# Altium PCB Power_Board.PcbDoc (part 2 of 3)
Units mm, origin at the board's own origin, x right, y up, seen from the top; angles counter-clockwise.
Board outline 100 x 100 mm, 4 copper layers (Top Layer, Signal Layer 1, Signal Layer 2, Bottom Layer), stack 1.551 mm thick; 455 components, 242 nets, 1337 pads, 0 vias.
Unrouted connection lines stored in the file: 1041.
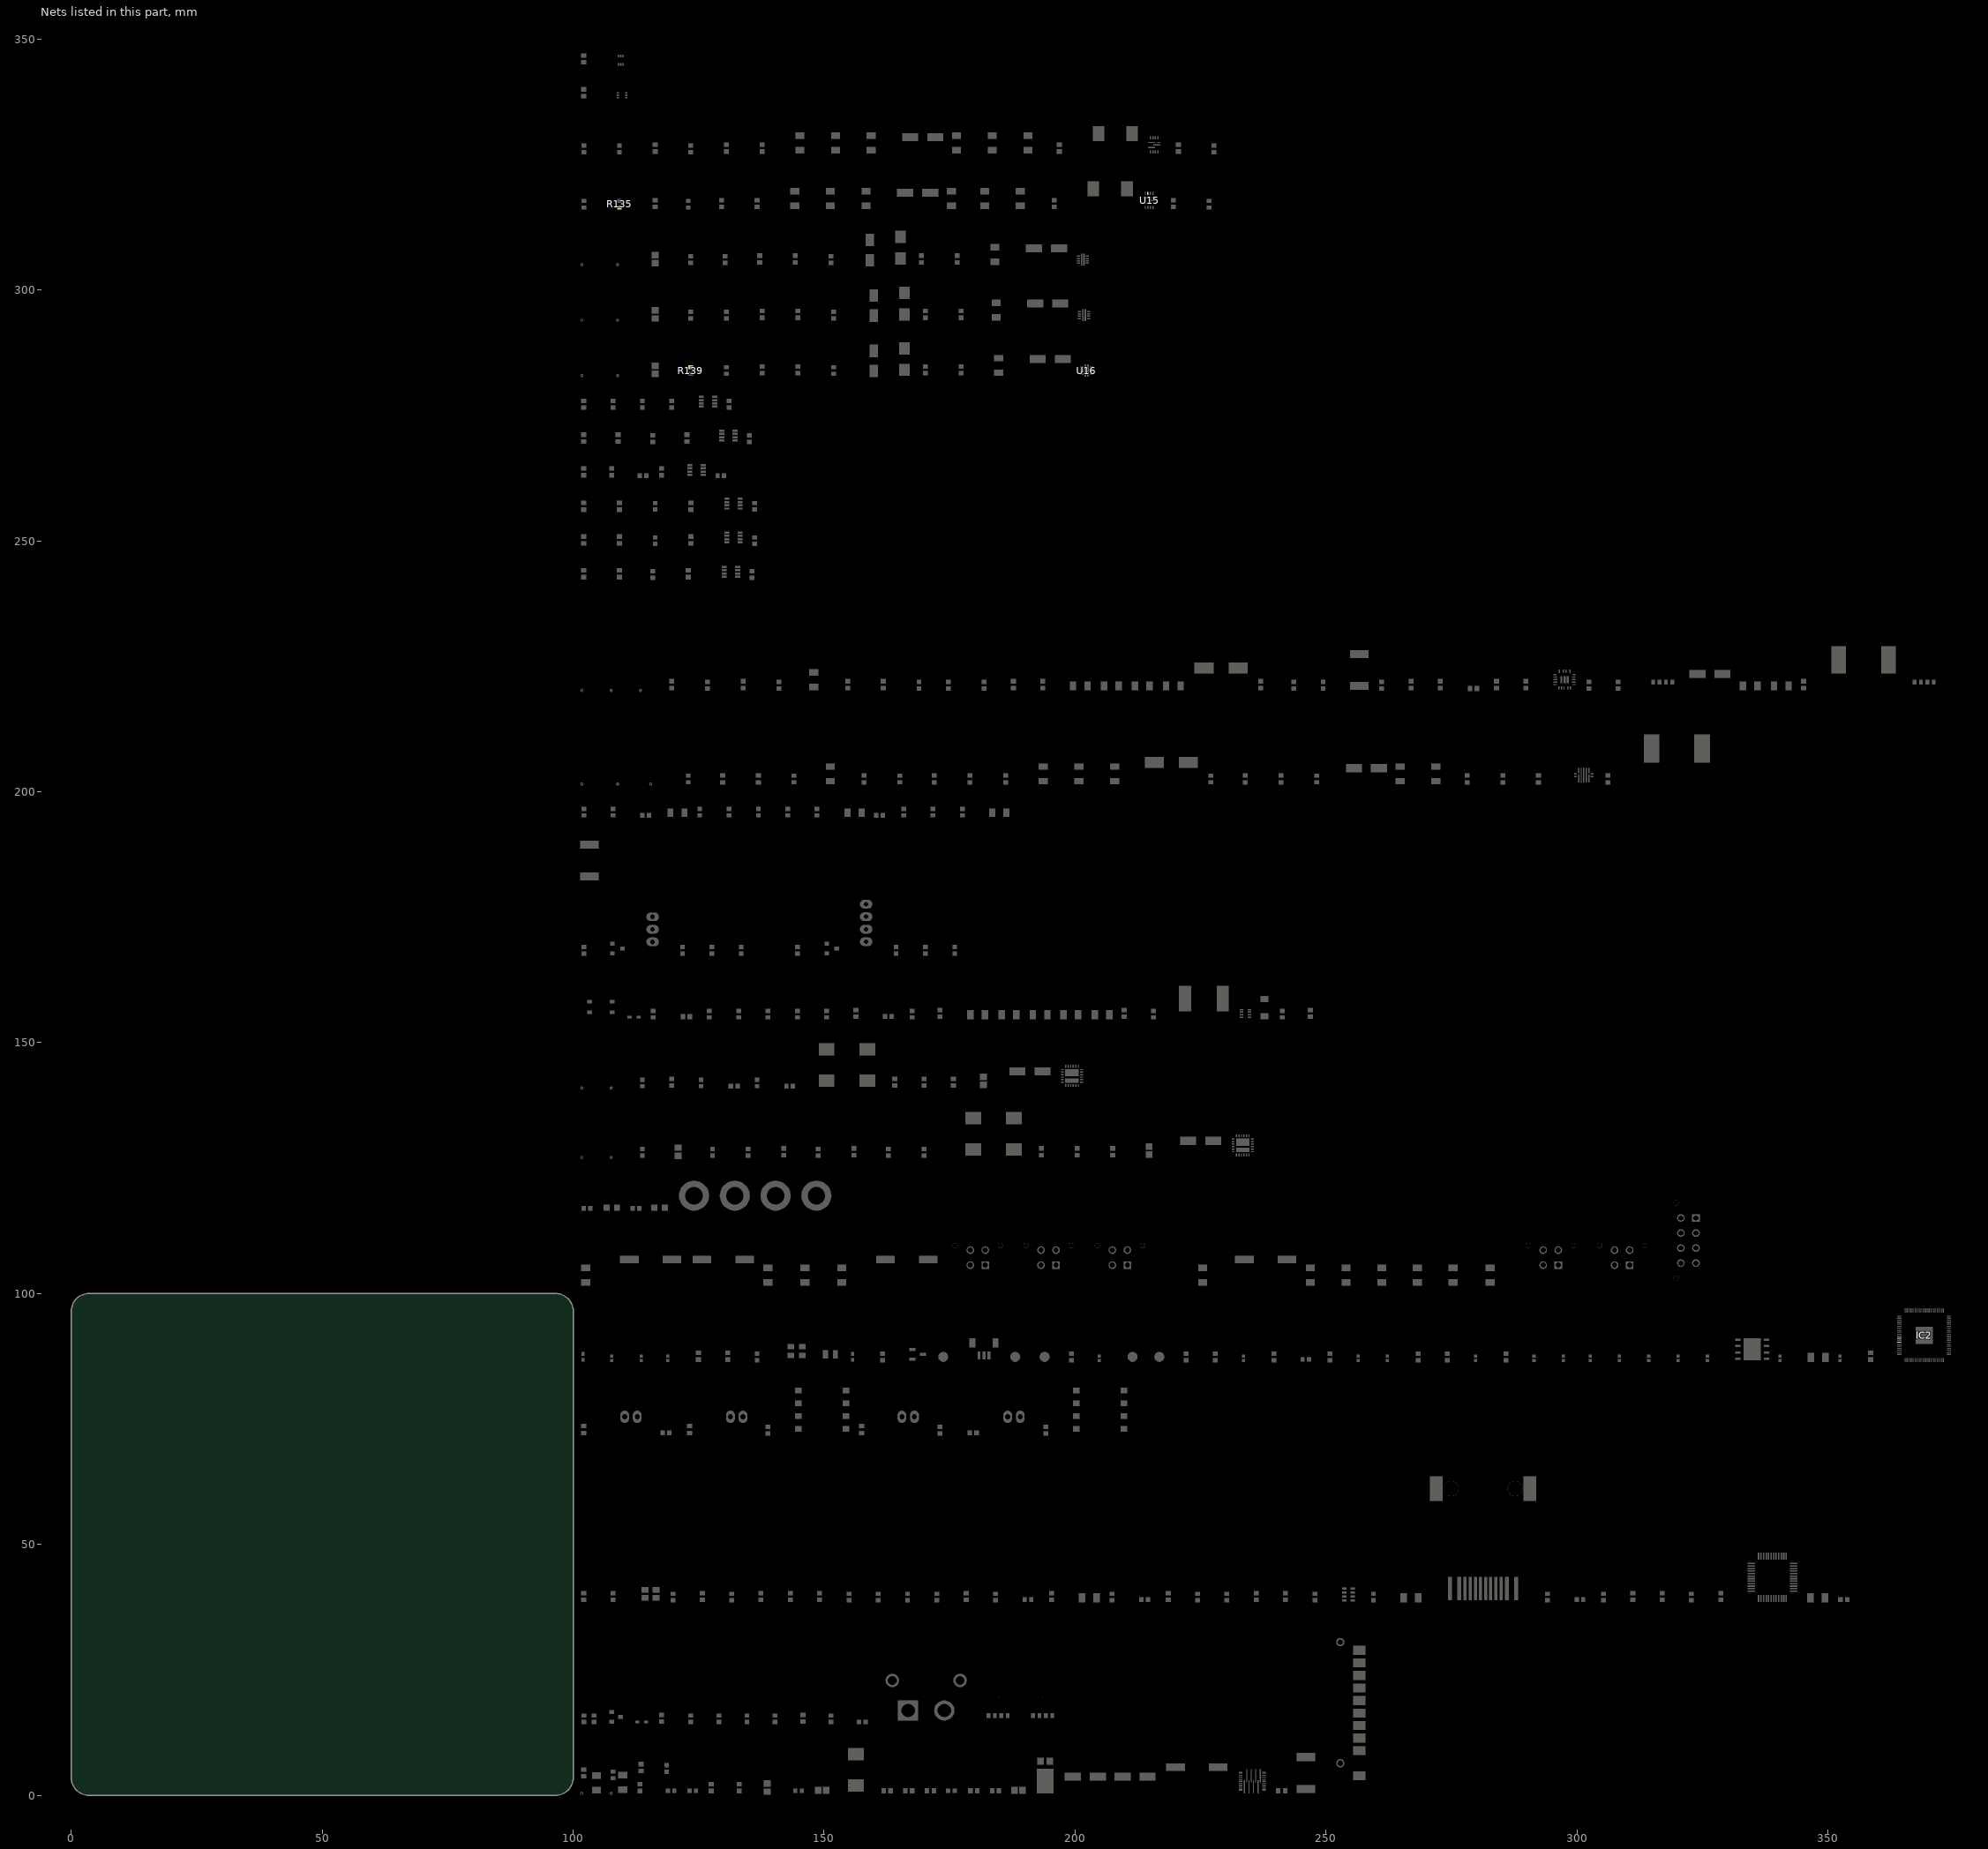
[diagram p2: the nets of this part, all layers, seen from the top]

## Footprints (in the part's own frame and the unit in brackets; to place one, negate y for a bottom-side part, rotate by r counter-clockwise, add the part's x,y. Pads: shape width x height; smd on the part's side, far side on the other; paste and mask are expansions set on the pad) (continued)
"DO214AB SMC" [mm] "Molded Diode, 2-Leads, Body 6.85x5.90mm, IPC Medium Density"
  rect 2.45x3.15 smd: 1(-3.1,0) 2(3.1,0)
  silkscreen extent -4.9,-3.3 4.9,3.3, body extent -3.97,-2.95 3.97,2.95, height 2.6
"EPSON TSX-3225" [mm] "Crystal, 4-Leads, Body 2.50x3.20mm, Pitch 2.20mm, IPC Medium Density"
  rect 1.4x1.15 smd: 1(-1.1,-0.8) 2(1.1,-0.8) 3(1.1,0.8) 4(-1.1,0.8)
  silkscreen extent -2.25,-1.85 2.1,1.7, body extent -1.61,-1.26 1.61,1.26, height 0.6
"FER 0603_1608" [mm] "Chip Ferrite, 2-Leads, Body 1.60x0.80mm, IPC Medium Density"
  rect 0.9x1 smd: 1(-0.675,0) 2(0.675,0)
  silkscreen extent -1.4,-0.7 1.4,0.7, body extent -0.8,-0.41 0.8,0.41, height 0.82
"FUSE 1206_3216 0.6MM" [mm] "Chip Fuse 1.5A AC 63V DC, 2-Leads, Body 3.10x1.55mm, IPC Medium Densitym"
  rect 1.25x1.65 smd: 1(-1.725,0) 2(1.725,0)
  silkscreen extent -0.8,-0.72 0.8,0.72, body extent -1.55,-0.77 1.55,0.78, height 0.76
Hole_3.5mm [mm] "3.5mm Hole with Exposed Ring"
  round 6 hole 3.5: 1(0,0)
  silkscreen extent -3.3,-3.3 3.3,3.3
HR961160C [mm]
  rect 0.81x4.6 smd: 1(-6.61,-12.15) 2(-4.77,-12.15) 11(4.77,-12.15) 12(6.61,-12.15)
  rect 0.61x4.6 smd: 3(-3.57,-12.15) 4(-2.55,-12.15) 5(-1.53,-12.15) 6(-0.51,-12.15) 7(0.51,-12.15) 8(1.53,-12.15) 9(2.55,-12.15) 10(3.57,-12.15)
  rect 2.54x4.9 smd: 13(-9.3,7.77) 13(9.3,7.77)
  round 3 hole 3 unplated: ""(-6.35,7.77) ""(6.35,7.77)
  silkscreen extent -8.05,-15.11 8.05,13.05, body extent -9.57,-13.96 9.57,13.57, height 15.33
INDPM8682X400N [mm]
  rect 2.4x5.1 smd: 1(-3.75,0) 2(3.75,0)
  silkscreen extent -4.32,-4.09 4.32,4.09, body extent -4.3,-4.1 4.3,4.1, height 3.9
"INFINEON SOT-23-3" [mm] "SOT23, 3-Leads, Body 2.90x2.40mm, Pitch 0.95mm, IPC Medium Density"
  rect 0.972x0.802 smd: 1(-0.885,0.95) 2(-0.885,-0.95) 3(0.885,0)
  silkscreen extent -1.27,-1.5 0.7,1.95, body extent -1.16,-1.45 1.16,1.45, height 1
"JST BM03B-SRSS-TB" [mm] "1.0mm pitch/Disconnectable Crimp style connector"
  rect 0.6x1.55 smd: 1(-1,-1.262) 2(0,-1.262) 3(1,-1.262)
  rect 1.2x1.8 smd: M(-2.3,1.262) M(2.3,1.262)
  silkscreen extent -2.53,-1.68 2.53,1.91, body extent -2.5,-1.69 2.5,1.91, height 4.32
"JST XH B2B-XH-A" [mm]
  oval 1.75x2.5 hole 1: 1(-1.25,0) 2(1.25,0)
  silkscreen extent -3.7,-3.38 3.7,2.38, body extent -3.7,-3.38 3.7,2.38, height 7
"JST XH B3B-XH-A" [mm]
  oval 1.75x2.5 hole 0.9: 1(-2.5,0) 2(0,0) 3(2.5,0)
  silkscreen extent -4.95,-3.38 4.95,2.38, body extent -4.95,-3.37 4.95,2.38, height 7
"JST XH B4B-XH-A" [mm]
  oval 1.75x2.5 hole 0.9: 1(-3.75,0) 2(-1.25,0) 3(1.25,0) 4(3.75,0)
  silkscreen extent -6.2,-3.38 6.2,2.38, body extent -6.2,-3.38 6.2,2.38, height 7
Jumper_Pad [mil] "Solderable Jumper Selector"
  round 1 smd: 1(-18.48,0) 2(18.48,0)
  silkscreen extent -43,-43 43,43
"LED 0805_2012" [mm] "Chip Diode, 2-Leads, Body 2.00x1.25mm, IPC Medium Density"
  rect 1.2x1.2 smd: 1(-1.05,0) 2(1.05,0)
  silkscreen extent -2.03,-0.9 2.03,0.9, body extent -1,-0.62 1,0.63, height 0.9
Net_Tie_Via [mm] "Net Tie, Via, 0.3mm Hole, 0.6mm Pad"
  round 0.6 hole 0.3: 1(0,0) 2(0,0)
NVMFS4C05NWFET1G [mm]
  rect 0.75x1 smd: 1(0,0.021) 1(1.27,0.021) 1(2.54,0.021) 2(3.81,0.021)
  round 0.025 smd: 3(1.905,3.75)
  silkscreen extent -0.55,-1 4.36,1.4, body extent -0.68,-0.28 4.47,5.87, height 1.1
PTS815SJK250SMTRLFS [mm]
  rect 1x0.7 smd: 1(-2.25,1.075) 1(2.25,1.075) 2(-2.25,-1.075) 2(2.25,-1.075)
  silkscreen extent -3.2,-1.6 2.07,1.6, body extent -2.3,-1.6 2.3,1.6, height 2.5
QFN40P1000X1000X90-81N-D [mm]
  rect 0.85x0.2 smd: 1(-4.95,3.8) 2(-4.95,3.4) 3(-4.95,3) 4(-4.95,2.6) 5(-4.95,2.2) 6(-4.95,1.8) 7(-4.95,1.4) 8(-4.95,1) 9(-4.95,0.6) 10(-4.95,0.2) 11(-4.95,-0.2) 12(-4.95,-0.6) 13(-4.95,-1) 14(-4.95,-1.4) 15(-4.95,-1.8) 16(-4.95,-2.2) 17(-4.95,-2.6) 18(-4.95,-3) 19(-4.95,-3.4) 20(-4.95,-3.8) 41(4.95,-3.8) 42(4.95,-3.4) 43(4.95,-3) 44(4.95,-2.6) 45(4.95,-2.2) 46(4.95,-1.8) 47(4.95,-1.4) 48(4.95,-1) 49(4.95,-0.6) 50(4.95,-0.2) 51(4.95,0.2) 52(4.95,0.6) 53(4.95,1) 54(4.95,1.4) 55(4.95,1.8) 56(4.95,2.2) 57(4.95,2.6) 58(4.95,3) 59(4.95,3.4) 60(4.95,3.8)
  rect 0.2x0.85 smd: 21(-3.8,-4.95) 22(-3.4,-4.95) 23(-3,-4.95) 24(-2.6,-4.95) 25(-2.2,-4.95) 26(-1.8,-4.95) 27(-1.4,-4.95) 28(-1,-4.95) 29(-0.6,-4.95) 30(-0.2,-4.95) 31(0.2,-4.95) 32(0.6,-4.95) 33(1,-4.95) 34(1.4,-4.95) 35(1.8,-4.95) 36(2.2,-4.95) 37(2.6,-4.95) 38(3,-4.95) 39(3.4,-4.95) 40(3.8,-4.95) 61(3.8,4.95) 62(3.4,4.95) 63(3,4.95) 64(2.6,4.95) 65(2.2,4.95) 66(1.8,4.95) 67(1.4,4.95) 68(1,4.95) 69(0.6,4.95) 70(0.2,4.95) 71(-0.2,4.95) 72(-0.6,4.95) 73(-1,4.95) 74(-1.4,4.95) 75(-1.8,4.95) 76(-2.2,4.95) 77(-2.6,4.95) 78(-3,4.95) 79(-3.4,4.95) 80(-3.8,4.95)
  rect 3.45x3.45 smd: 81(0,0)
  silkscreen extent -5.47,4.3 -5.28,4.5, body extent -5.05,-5.05 5.05,5.05, height 0.9
"RES 0402_1005" [mm] "Chip Resistor, 2-Leads, Body 1.0x0.5mm, IPC Medium Density"
  rect 0.75x0.6 smd: 1(-0.575,0) 2(0.575,0)
  silkscreen extent -1.14,-0.51 1.14,0.51, body extent -0.5,-0.25 0.5,0.25, height 0.35
"RES 0603_1608" [mm] "Chip Resistor, 2-Leads, Body 1.60x0.80mm, IPC Medium Density"
  rect 0.85x0.95 smd: 1(-0.65,0) 2(0.65,0)
  silkscreen extent -1.27,-0.7 1.27,0.7, body extent -0.8,-0.4 0.8,0.4, height 0.45
"RES 1206_3216" [mm] "Chip Resistor, 2-Leads, Body 3.13x1.55mm, IPC Medium Density"
  rect 1.2x1.65 smd: 1(-1.4,0) 2(1.4,0)
  silkscreen extent -2.3,-1.1 2.3,1.1, body extent -1.6,-0.8 1.6,0.8, height 0.6
"RES 2512_6432" [mm] "Chip Resistor, 2-Leads, Body 6.30x3.15mm, IPC Medium Density"
  rect 1.6x3.65 smd: 1(-3.175,0) 2(3.175,0)
  silkscreen extent -4.3,-2.05 4.3,2.05, body extent -3.15,-1.57 3.15,1.57, height 0.7
"RESNET 1206-8 CONVEX" [mm] "4 resistor 3.20x1.60mm, 0.7mm high"
  rect 0.9x0.45 smd: 1(-0.85,1.2) 2(-0.85,0.4) 3(-0.85,-0.4) 4(-0.85,-1.2) 5(0.85,-1.2) 6(0.85,-0.4) 7(0.85,0.4) 8(0.85,1.2)
  silkscreen extent -1.6,-1.73 1.6,1.73, body extent -0.84,-1.62 0.84,1.63, height 0.71
SMD-8_VOR2121B_VIS [mil]
  rect 52x45 smd paste+0 mask+0: 1(-186,150) 2(-186,50) 3(-186,-50) 4(-186,-150) 5(186,-150) 6(186,-50) 7(186,50) 8(186,150)
  silkscreen extent -190,-205 139,205, body extent -198,-200 198,200, height 167
SOD523F [mm] "SODFL, 2-Leads, Body 0.80x1.60mm, IPC Medium Density"
  rect 0.8x0.5 smd: 1(-0.9,0) 2(0.9,0)
  silkscreen extent -1.6,-0.64 1.8,0.64, body extent -0.8,-0.4 0.8,0.4, height 0.65
SON127P600X500X80-9N-D [mm]
  rect 1.05x0.45 smd: 1(-2.85,1.905) 2(-2.85,0.635) 3(-2.85,-0.635) 4(-2.85,-1.905) 5(2.85,-1.905) 6(2.85,-0.635) 7(2.85,0.635) 8(2.85,1.905)
  rect 3.45x4.35 smd: 9(0,0)
  silkscreen extent -3.5,2.51 -3.25,2.75, body extent -3.05,-2.5 3.05,2.5, height 0.8
SOT8_DRL_TEX [mil]
  rect 28x10 smd paste+0 mask+0: 1(-31.5,29.53) 2(-31.5,9.85) 3(-31.5,-9.85) 4(-31.5,-29.53) 5(31.5,-29.53) 6(31.5,-9.85) 7(31.5,9.85) 8(31.5,29.53)
  silkscreen extent -64,-48 30,48, body extent -31,-41 31,41, height 24
SOT23-8_DDF_TEX [mm]
  rect 0.998x0.431 smd paste+0 mask+0: 1(-1.324,0.975) 2(-1.324,0.325) 3(-1.324,-0.325) 4(-1.324,-0.975) 5(1.324,-0.975) 6(1.324,-0.325) 7(1.324,0.325) 8(1.324,0.975)
  silkscreen extent -1.78,-1.6 0.95,1.78, body extent -1.41,-1.45 1.41,1.45, height 0.9
SOT95P237X112-3N [mm]
  rect 1.25x0.6 smd: 1(-1.05,0.95) 2(-1.05,-0.95) 3(1.05,0)
  silkscreen extent -1.68,-1.46 0.08,1.5, body extent -1.27,-1.46 1.27,1.46, height 1
SOTFL50P160X60-6N [mm]
  rect 0.47x0.3 smd: 1(-0.835,0.5) 2(-0.835,0) 3(-0.835,-0.5) 4(0.835,-0.5) 5(0.835,0) 6(0.835,0.5)
  silkscreen extent -1.07,-0.8 0.25,0.9, body extent -0.8,-0.8 0.8,0.8, height 0.6
Test_Point_2mm [mm] "2mm Test Point Pad"
  round 2 smd: 1(0,0)
  silkscreen extent -1.25,-1.25 1.25,1.25
VQFN10_RPW_TEX [mil]
  rect 24x12 smd paste-12 mask-12: 1(-35.43,27.56) 4(-35.43,-27.56) 7(35.43,-27.56) 10(35.43,27.56)
  rect 24x10 smd paste+0 mask+0: 2(-35.43,8.86) 3(-35.43,-8.86) 8(35.43,-8.86) 9(35.43,8.86)
  rect 12x94 smd paste-47 mask-47: 5(-9.84,0) 6(9.84,0)
  Top Layer region: -33.43,47.56 -23.43,47.56 -23.43,21.56 -47.43,21.56 -47.43,33.56 -33.43,33.56
  Top Layer region: -23.43,-47.56 -23.43,-21.56 -47.43,-21.56 -47.43,-33.56 -33.43,-33.56 -33.43,-47.56
  Top Layer region: 47.43,-21.56 23.43,-21.56 23.43,-47.56 33.43,-47.56 33.43,-33.56 47.43,-33.56
  Top Layer region: 33.43,47.56 23.43,47.56 23.43,21.56 47.43,21.56 47.43,33.56 33.43,33.56
  silkscreen extent -63,-50 50,50, body extent -39,-39 39,39, height 39
VQFN24_RGE_TEX [mm]
  rrect41% 0.575x0.24 smd: 1(-1.913,1.25) 2(-1.913,0.75) 3(-1.913,0.25) 4(-1.913,-0.25) 5(-1.913,-0.75) 6(-1.913,-1.25) 13(1.913,-1.25) 14(1.913,-0.75) 15(1.913,-0.25) 16(1.913,0.25) 17(1.913,0.75) 18(1.913,1.25)
  rrect41% 0.24x0.575 smd: 7(-1.25,-1.913) 8(-0.75,-1.913) 9(-0.25,-1.913) 10(0.25,-1.913) 11(0.75,-1.913) 12(1.25,-1.913) 19(1.25,1.913) 20(0.75,1.913) 21(0.25,1.913) 22(-0.25,1.913) 23(-0.75,1.913) 24(-1.25,1.913)
  rrect6% 2.7x1.45 smd: 25(0,0.625)
  rrect11% 2.7x0.85 smd: 26(0,-0.925)
  silkscreen extent -2.75,-2.17 2.17,2.17, body extent -2,-2 2,2, height 1
VQFN26_RQP_TEX [mil]
  rect 28x16 smd paste-14 mask-14: 1(-92.52,67) 9(-92.52,-67) 14(92.52,-67) 22(92.52,67)
  rect 28x8 smd paste-4 mask+0: 2(-92.52,47.25) 3(-92.52,31.5) 4(-92.52,15.75) 5(-92.52,0) 6(-92.52,-15.75) 7(-92.52,-31.5) 8(-92.52,-47.25) 15(92.52,-47.25) 16(92.52,-31.5) 17(92.52,-15.75) 18(92.52,0) 19(92.52,15.75) 20(92.52,31.5) 21(92.52,47.25)
  rect 8x104 smd paste-4 mask+0: 10(-62.3,-44) 11(-26.67,-44) 12(8.96,-44) 13(44.59,-44) 23(62.3,44) 24(26.67,44) 25(-8.96,44) 26(-44.59,44)
  Top Layer region: -92.52,-75 -106.52,-75 -106.52,-59 -78.52,-59 -78.52,-96 -92.52,-96
  Top Layer region: 92.52,-75 106.52,-75 106.52,-59 78.52,-59 78.52,-96 92.52,-96
  Top Layer region: 92.52,75 106.52,75 106.52,59 78.52,59 78.52,96 92.52,96
  Top Layer region: -92.52,75 -106.52,75 -106.52,59 -78.52,59 -78.52,96 -92.52,96
  Top Layer region: 0,-52 0,-52 0,-52 0,-52 0,-52 0,-52 0,-52 0,-52
  Top Layer region: 0,52 0,52 0,52 0,52 0,52 0,52 0,52 0,52
  silkscreen extent -128,-105 115,105, body extent -98,-89 98,89, height 39
VQFN-HR12_RJN_TEX [mil]
  rect 55x10 smd paste+0 mask+0: 1(-19.93,19.69) 2(-19.93,-19.69) 7(19.93,0)
  rect 10x24 smd paste+0 mask+0: 3(-29.53,-55.12) 4(-9.84,-55.12) 5(9.84,-55.12) 6(29.53,-55.12) 9(29.53,55.12) 10(9.84,55.12) 11(-9.84,55.12) 12(-29.53,55.12)
  rect 24x10 smd paste+0 mask+0: 8(35.43,19.69)
  silkscreen extent -60,-80 45,80, body extent -39,-59 39,59, height 39
VQFN-HR26_RPM_TEX [mm]
  round 0.025 smd: 1(-1.625,1.488) 7(-1.675,-1.488) 13(1.675,-1.488) 19(1.625,1.488)
  rrect40% 0.6x0.25 smd: 2(-1.9,1) 6(-1.9,-1) 14(1.9,-1) 18(1.9,1)
  rrect40% 0.725x0.25 smd: 3(-1.837,0.5) 4(-1.837,0) 5(-1.837,-0.5) 15(1.837,-0.5) 16(1.837,0) 17(1.837,0.5)
  rrect40% 0.25x0.625 smd: 8(-1.125,-1.637) 9(-0.625,-1.637) 10(-0.125,-1.637) 11(0.625,-1.637) 12(1.125,-1.637)
  rrect40% 0.25x0.675 smd: 20(1.05,1.613) 23(-1.05,1.613)
  rrect40% 0.25x0.6 smd: 21(0.25,1.65) 22(-0.25,1.65)
  rrect26% 0.375x1.425 smd: 24(-0.625,0) 25(0,0) 26(0.625,0)
  silkscreen extent -2.43,-2.18 2.43,2.54, body extent -2,-1.75 2,1.75, height 1
WE-HCC_121021 [mm]
  rect 2.9x5.4 smd: 1(-4.95,0) 2(4.95,0)
  silkscreen extent -6,-5.75 6,5.75, body extent -6.05,-5.7 6.05,5.7, height 9.35
WE-HCC_807021 [mm]
  rect 2.3x3 smd: 1(-3.35,0) 2(3.35,0)
  silkscreen extent -4.2,-3.95 4.2,3.95, body extent -4.2,-3.95 4.2,3.95, height 7.15
WQFN-HR15_VAL_TEX [mm]
  round 0.025 smd: 1(-1.65,1.038) 4(-1.65,-1.038) 10(1.65,-1.038) 13(1.65,1.038)
  rect 0.6x0.25 smd: 2(-1.65,0.251) 3(-1.65,-0.249) 11(1.65,-0.249) 12(1.65,0.251)
  rect 0.25x1.6 smd: 5(-1,-0.649) 9(1,-0.649)
  rect 0.25x2.9 smd: 6(-0.5,0) 7(0,0) 8(0.5,0)
  rect 0.25x1.05 smd: 14(1,0.926) 15(-1,0.926)
  silkscreen extent -2.4,-1.78 1.75,1.78, body extent -1.75,-1.25 1.75,1.25, height 0.9
XT60PWM [mm]
  rect 4.05x4.05 hole 2.7: 1(0,0)
  round 4.05 hole 2.7: 2(7.2,0)
  round 2.7 hole 1.8: 3(-3.15,6) 3(10.35,6)
  silkscreen extent -4.15,-2.5 11.35,16.35, body extent -4.35,-1.82 11.55,16.38, height 8.61

## Part data
C1 C4 C5 C16 C18 C19 C21 C24 C25 C32 C49 C54 C57 C59 C62 C63 C65 C66 C70 C71 C72 C73 C83 C85 C90 C91 C92 C94 C95 C105 C116 C118 C119 C124 C125 C126 C127 C128 C136 C140 C146 C148 C149 C153 C162 C168 C170 C171 C175 C184 C190 C192 C193 C194: library part GEN-CC100NT10V50KX7R603, "GENERIC 0603 MLC CAPACITOR", Dielectric=X7R, Tolerance=±10%, Voltage=50V, Part Number=GEN-CC100NT10V50KX7R603
C2 C3 C6 C17 C74 C75 C76 C78 C84 C89 C93 C96 C108 C110 C117 C123 C129 C139 C147 C159 C161 C169 C181 C183 C191: library part GEN-CC1UT10V25KX7R603, "GENERIC 0603 MLC CAPACITOR", Dielectric=X7R, Tolerance=±10%, Voltage=25V, Part Number=GEN-CC1UT10V25KX7R603
C7 C11 C79 C111: library part GEN-CC2U2T10V25KX7R805, "GENERIC 0805 MLC CAPACITOR", Dielectric=X7R, Tolerance=±10%, Voltage=25V, Part Number=GEN-CC2U2T10V25KX7R805
C8 C9 C80 C112 C142 C158 C164 C180 C186: library part 865080445010, "CAP ALUM 100UF 20% 25V SMD", Device Package="Radial, Can - SMD", Lifetime @ Temp.="2000 Hrs @ 105°C", Manufacturer="Würth Elektronik", Operating Temperature="-55°C ~ 105°C", Ripple Current @ High Frequency="290 mA @ 100 kHz", Ripple Current @ Low Frequency="188.5 mA @ 120 Hz", Supplier Part Number 1=732-8438-1-ND, Tolerance=±20%, Voltage - Rated="25 V", Applications="General Purpose", Capacitance="100 µF", ComponentLink1Description=Datasheet, ComponentLink1URL=https://katalog.we-online.de/pbs/datasheet/865080445010.pdf, ComponentLink2Description="DigiKey Link", ComponentLink2URL=https://www.digikey.com/en/products/detail/würth-elektronik/865080445010/5728033, Height - Seated (Max)="0.303\" (7.70mm)", Impedance="380 mOhms", LastUpdated="4/5/2026 8:54:41 PM", Lifecycle Status=Active, Minimum Order=1, Mounting Type="Surface Mount", Package / Case="Radial, Can - SMD", Packaging=TapeAndReel, Part Number=865080445010, Part Status=Active, PartId=8228, Polarization=Polar, Price=0.16, Series=WCAP-ASLI, Size / Dimension="0.248\" Dia (6.30mm)", Supplier 1=DigiKey, Surface Mount Land Size="0.260\" L x 0.260\" W (6.60mm x 6.60mm)"
C10 C204 C206 C207 C211: library part A781MN477M1ELAS025, "CAP ALUM HYB 470UF 20% 25V SMD", Lifetime Temp="2000 Hrs @ 135°C", Manufacturer=KEMET, Supplier Part Number 1=399-A781MN477M1ELAS025CT-ND, Tolerance=±20%, Voltage=25V, ESR=25mOhm, Part Number=A781MN477M1ELAS025, Supplier 1=DigiKey
C12 C13: library part GEN-CC330NT10V16KX7R603, "GENERIC 0603 MLC CAPACITOR", Dielectric=X7R, Tolerance=±10%, Voltage=16V, Part Number=GEN-CC330NT10V16KX7R603
C14 C102 C106 C134 C154 C176: library part GEN-CC22PT10V16KX7R603, "GENERIC 0603 MLC CAPACITOR", Dielectric=X7R, Tolerance=±10%, Voltage=16V, Part Number=GEN-CC22PT10V16KX7R603
C15 C115 C145 C167 C189: library part GEN-CC1NT10V50KX7R805, "GENERIC 0805 MLC CAPACITOR", Dielectric=X7R, Tolerance=±10%, Voltage=50V, Part Number=GEN-CC1NT10V50KX7R805
C20 C30 C53: library part GEN-CC22NT20V25KX7R603, "GENERIC 0603 MLC CAPACITOR", Dielectric=X7R, Tolerance=±20%, Voltage=25V, Part Number=GEN-CC22NT20V25KX7R603
C22 C23 C26 C33 C52 C56 C87 C88 C97 C98 C99 C121 C122 C130 C131 C132 C150 C151 C152 C172 C173 C174: library part GEN-CC10UT10V25KX7R1206, "GENERIC 1206 MLC CAPACITOR", Dielectric=X7R, Tolerance=±10%, Voltage=25V, Part Number=GEN-CC10UT10V25KX7R1206
C27 C28 C100 C155 C156 C157 C177 C178 C179 C195 C196 C197 C198 C199 C200 C201 C202 C203 C205 C208 C209 C210: library part CL31A226KAHNNNE, "CAP CER 22UF 25V X5R 1206", Device Package="1206 (3216 Metric)", Manufacturer="Samsung Electro-Mechanics", Operating Temperature="-55°C ~ 85°C", Supplier Part Number 1=1276-3047-1-ND, Temperature Coefficient=X5R, Tolerance=±10%, Voltage - Rated=25V, Applications="General Purpose", Capacitance="22 µF", ComponentLink1Description=Datasheet, ComponentLink1URL=http://www.samsungsem.com/kr/support/product-search/mlcc/CL31A226KAHNNNE.jsp, ComponentLink2Description="DigiKey Link", ComponentLink2URL=https://www.digikey.com/en/products/detail/samsung-electro-mechanics/CL31A226KAHNNNE/3888705, LastUpdated="4/6/2026 7:37:25 PM", Lifecycle Status=Active, Minimum Order=1, Mounting Type="Surface Mount, MLCC", Package / Case="1206 (3216 Metric)", Packaging=TapeAndReel, Part Number=CL31A226KAHNNNE, Part Status=Active, PartId=22185, Price=0.06, Series=CL, Size / Dimension="0.126\" L x 0.063\" W (3.20mm x 1.60mm)", Supplier 1=DigiKey, Thickness (Max)="0.071\" (1.80mm)"
C29 C114: library part GEN-CC33NT5V25KX7R603, "GENERIC 0603 MLC CAPACITOR", Dielectric=X7R, Tolerance=±5%, Voltage=25V, Part Number=GEN-CC33NT5V25KX7R603
C31 C34 C35 C36 C37 C38 C40 C41 C42 C43 C44: library part GEN-CC100NT106V3KX7R402, "GENERIC 0402 MLC CAPACITOR", Dielectric=X7R, Tolerance=±10%, Voltage=6.3V, Part Number=GEN-CC100NT106V3KX7R402
C39 C45 C47 C50: library part GEN-CC4U7T106V3KX5R402, "GENERIC 0402 MLC CAPACITOR", Dielectric=X5R, Tolerance=±10%, Voltage=6.3V, Part Number=GEN-CC4U7T106V3KX5R402
C46 C51: library part GEN-CC15PT1V25KC0G402, "GENERIC 0402 MLC CAPACITOR", Dielectric=C0G, Tolerance=±1%, Voltage=25V, Part Number=GEN-CC15PT1V25KC0G402
C48 C67: library part GEN-CC4U7T106V3KX7R603, "GENERIC 0603 MLC CAPACITOR", Dielectric=X7R, Tolerance=±10%, Voltage=6.3V, Part Number=GEN-CC4U7T106V3KX7R603
C55 C64 C77 C109: library part GEN-CC10NT10V50KX7R603, "GENERIC 0603 MLC CAPACITOR", Dielectric=X7R, Tolerance=±10%, Voltage=50V, Part Number=GEN-CC10NT10V50KX7R603
C58 C60: library part GEN-CC6N8T10V50KX7R603, "GENERIC 0603 MLC CAPACITOR", Dielectric=X7R, Tolerance=±10%, Voltage=50V, Part Number=GEN-CC6N8T10V50KX7R603
C61: library part GEN-CC1NT10V2000KX7R1206, "GENERIC 1206 MLC CAPACITOR", Dielectric=X7R, Tolerance=±10%, Voltage=2000V, Part Number=GEN-CC1NT10V2000KX7R1206
C68 C69: library part GEN-CC18PT5V50KC0G603, "GENERIC 0603 MLC CAPACITOR", Dielectric=C0G, Tolerance=±5%, Voltage=50V, Part Number=GEN-CC18PT5V50KC0G603
C81 C113: library part GEN-CC4N3T5V50KC0G603, "GENERIC 0603 MLC CAPACITOR", Dielectric=C0G, Tolerance=±5%, Voltage=50V, Part Number=GEN-CC4N3T5V50KC0G603
C82 C160 C182: library part GEN-CC47NT5V25KX7R603, "GENERIC 0603 MLC CAPACITOR", Dielectric=X7R, Tolerance=±5%, Voltage=25V, Part Number=GEN-CC47NT5V25KX7R603
C86 C120: library part 865080545011, "CAP ALUM 68UF 20% 35V SMD", Device Package="Radial, Can - SMD", Lifetime @ Temp.="2000 Hrs @ 105°C", Manufacturer="Würth Elektronik", Operating Temperature="-55°C ~ 105°C", Ripple Current @ High Frequency="265 mA @ 100 kHz", Ripple Current @ Low Frequency="172.25 mA @ 120 Hz", Supplier Part Number 1=732-8510-1-ND, Tolerance=±20%, Voltage - Rated="35 V", Applications="General Purpose", Capacitance="68 µF", ComponentLink1Description=Datasheet, ComponentLink1URL=https://katalog.we-online.de/pbs/datasheet/865080545011.pdf, ComponentLink2Description="DigiKey Link", ComponentLink2URL=https://www.digikey.com/en/products/detail/würth-elektronik/865080545011/5728105, Height - Seated (Max)="0.303\" (7.70mm)", Impedance="400 mOhms", LastUpdated="4/5/2026 8:54:40 PM", Lifecycle Status=Active, Minimum Order=1, Mounting Type="Surface Mount", Package / Case="Radial, Can - SMD", Packaging=TapeAndReel, Part Number=865080545011, Part Status=Active, PartId=27323, Polarization=Polar, Price=0.17, Series=WCAP-ASLI, Size / Dimension="0.248\" Dia (6.30mm)", Supplier 1=DigiKey, Surface Mount Land Size="0.260\" L x 0.260\" W (6.60mm x 6.60mm)"
C101 C133: library part A768KS337M1ELAS019, "CAP ALUM POLY 330UF 20% 25V SMD", Lifetime Temp="2000 Hrs @ 125°C", Manufacturer=KEMET, Supplier Part Number 1=399-A768KS337M1ELAS019CT-ND, Tolerance=±20%, Voltage=25V, ESR=19mOhm, Part Number=A768KS337M1ELAS019, Supplier 1=DigiKey
C103 C144 C166 C188: library part GEN-CC15NT10V50KX7R603, "GENERIC 0603 MLC CAPACITOR", Dielectric=X7R, Tolerance=±10%, Voltage=50V, Part Number=GEN-CC15NT10V50KX7R603
C104 C135 C141 C163 C185: library part GEN-CC4U7T10V25KX7R1206, "GENERIC 1206 MLC CAPACITOR", Dielectric=X7R, Tolerance=±10%, Voltage=25V, Part Number=GEN-CC4U7T10V25KX7R1206
C107: library part GEN-CC680PT5V50KC0G603, "GENERIC 0603 MLC CAPACITOR", Dielectric=C0G, Tolerance=±5%, Voltage=50V, Part Number=GEN-CC680PT5V50KC0G603
C137: library part GEN-CC8P2TCV50KC0G603, "GENERIC 0603 MLC CAPACITOR", Dielectric=C0G, Tolerance=±0.25pF, Voltage=50V, Part Number=GEN-CC8P2TCV50KC0G603
C138: library part GEN-CC1N8T5V50KC0G603, "GENERIC 0603 MLC CAPACITOR", Dielectric=C0G, Tolerance=±5%, Voltage=50V, Part Number=GEN-CC1N8T5V50KC0G603
C143 C165 C187: library part GEN-CC2N7T10V50KX7R603, "GENERIC 0603 MLC CAPACITOR", Dielectric=X7R, Tolerance=±10%, Voltage=50V, Part Number=GEN-CC2N7T10V50KX7R603
D1: library part GEN-CILGRNLCLR805, "GENERIC 0805 INDICATOR LED", Color=Green, Lens Color=Clear, Part Number=GEN-CILGRNLCLR805
D2: library part GEN-CILAMBLCLR805, "GENERIC 0805 INDICATOR LED", Color=Amber, Lens Color=Clear, Part Number=GEN-CILAMBLCLR805
D3: "DIODE SBR 45V 10A POWERDI5", Current - Average Rectified (Io)=10A, Current - Reverse Leakage @ Vr="300 µA @ 45 V", Manufacturer="Diodes Incorporated", Operating Temperature - Junction="-65°C ~ 150°C", Package / Case="PowerDI™ 5", Supplier Part Number 1=SBR10U45SP5-13DICT-ND, Voltage - DC Reverse (Vr) (Max)="45 V", Voltage - Forward (Vf) (Max) @ If="470 mV @ 10 A", ComponentLink1Description=Datasheet, ComponentLink1URL=https://www.diodes.com/assets/Datasheets/SBR10U45SP5.pdf, ComponentLink2Description="DigiKey Link", ComponentLink2URL=https://www.digikey.com/en/products/detail/diodes-incorporated/SBR10U45SP5-13/1935355, Diode Type="Super Barrier", LastUpdated="4/5/2026 9:26:20 PM", Lifecycle Status=Active, Minimum Order=1, Mounting Type="Surface Mount", Packaging=TapeAndReel, Part Number=SBR10U45SP5-13, Part Status=Active, PartId=3714, Price=0.27, Series=SBR®, Speed="Fast Recovery =< 500ns, > 200mA (Io)", Supplier 1=DigiKey, Supplier Device Package="PowerDI™ 5"
D4: "TVS DIODE 13VWM 21.5VC DO214AB", Current - Peak Pulse (10/1000µs)=139.5A, Manufacturer="Littelfuse Inc.", Operating Temperature="-65°C ~ 150°C (TJ)", Package / Case="DO-214AB, SMC", Power - Peak Pulse="3000W (3kW)", Power Line Protection=No, Supplier Device Package="DO-214AB (SMCJ)", Supplier Part Number 1=SMDJ13ACT-ND, Voltage - Breakdown (Min)=14.4V, Voltage - Clamping (Max) @ Ipp=21.5V, Voltage - Reverse Standoff (Typ)=13V, Applications="General Purpose", ComponentLink1Description=Datasheet, ComponentLink1URL=https://www.littelfuse.com/~/media/electronics/datasheets/tvs_diodes/littelfuse_tvs_diode_smdj_datasheet.pdf.pdf, ComponentLink2Description="DigiKey Link", ComponentLink2URL=https://www.digikey.com/en/products/detail/littelfuse-inc/SMDJ13A/2024476, LastUpdated="4/5/2026 8:33:53 PM", Lifecycle Status=Active, Minimum Order=1, Mounting Type="Surface Mount", Packaging=TapeAndReel, Part Number=SMDJ13A, Part Status=Active, PartId=6478, Price=0.33, Series=SMDJ, Supplier 1=DigiKey, Type=Zener, Unidirectional Channels=1
D5 D6: "TVS DIODE 3.3V 14.1V SOD523", Capacitance @ Frequency="105pF @ 1MHz", Current - Peak Pulse (10/1000µs)="11.2A (8/20µs)", Manufacturer="ON Semiconductor", Operating Temperature="-55°C ~ 150°C (TJ)", Package / Case="SC-79, SOD-523", Power - Peak Pulse=158W, Power Line Protection=No, Supplier Device Package=SOD-523, Supplier Part Number 1=ESD5Z3.3T1GOSCT-ND, Voltage - Breakdown (Min)=5V, Voltage - Clamping (Max) @ Ipp=14.1V, Voltage - Reverse Standoff (Typ)="3.3V (Max)", Applications="General Purpose", ComponentLink1Description=Datasheet, ComponentLink1URL=https://www.onsemi.com/pub/Collateral/ESD5Z2.5T1-D.PDF, ComponentLink2Description="DigiKey Link", ComponentLink2URL=http://digikey.com/product-detail/en/on-semiconductor/ESD5Z3.3T1G/ESD5Z3.3T1GOSCT-ND/1967044, LastUpdated="4/5/2026 9:01:13 PM", Lifecycle Status=Active, Minimum Order=1, Mounting Type="Surface Mount", Packaging=TapeAndReel, Part Number=ESD5Z3.3T1G, Part Status=Active, PartId=9754, Price=0.04, Series=-, Supplier 1=DigiKey, Type=Zener, Unidirectional Channels=1
D7 D9: "TVS DIODE 13VWM 21.5VC DO214AB", Current - Peak Pulse (10/1000µs)=69.8A, Manufacturer="Littelfuse Inc.", Operating Temperature="-55°C ~ 150°C (TJ)", Package / Case="DO-214AB, SMC", Power - Peak Pulse="1500W (1.5kW)", Power Line Protection=No, Supplier Device Package="DO-214AB (SMCJ)", Supplier Part Number 1=SMCJ13ALFCT-ND, Voltage - Breakdown (Min)=14.4V, Voltage - Clamping (Max) @ Ipp=21.5V, Voltage - Reverse Standoff (Typ)=13V, Applications="General Purpose", ComponentLink1Description=Datasheet, ComponentLink1URL=https://www.littelfuse.com/products/tvs-diodes/surface-mount/~/media/electronics/datasheets/tvs_diodes/littelfuse_tvs_diode_smcj_datasheet.pdf.pdf, ComponentLink2Description="DigiKey Link", ComponentLink2URL=https://www.digikey.com/en/products/detail/littelfuse-inc/SMCJ13A/762378, LastUpdated="4/5/2026 8:33:56 PM", Lifecycle Status=Active, Minimum Order=1, Mounting Type="Surface Mount", Packaging=TapeAndReel, Part Number=SMCJ13A, Part Status=Active, PartId=6718, Price=0.16, Series=SMCJ, Supplier 1=DigiKey, Type=Zener, Unidirectional Channels=1